# Allegro board pc053c_toplevel_14_removeRj45.brd (continued)
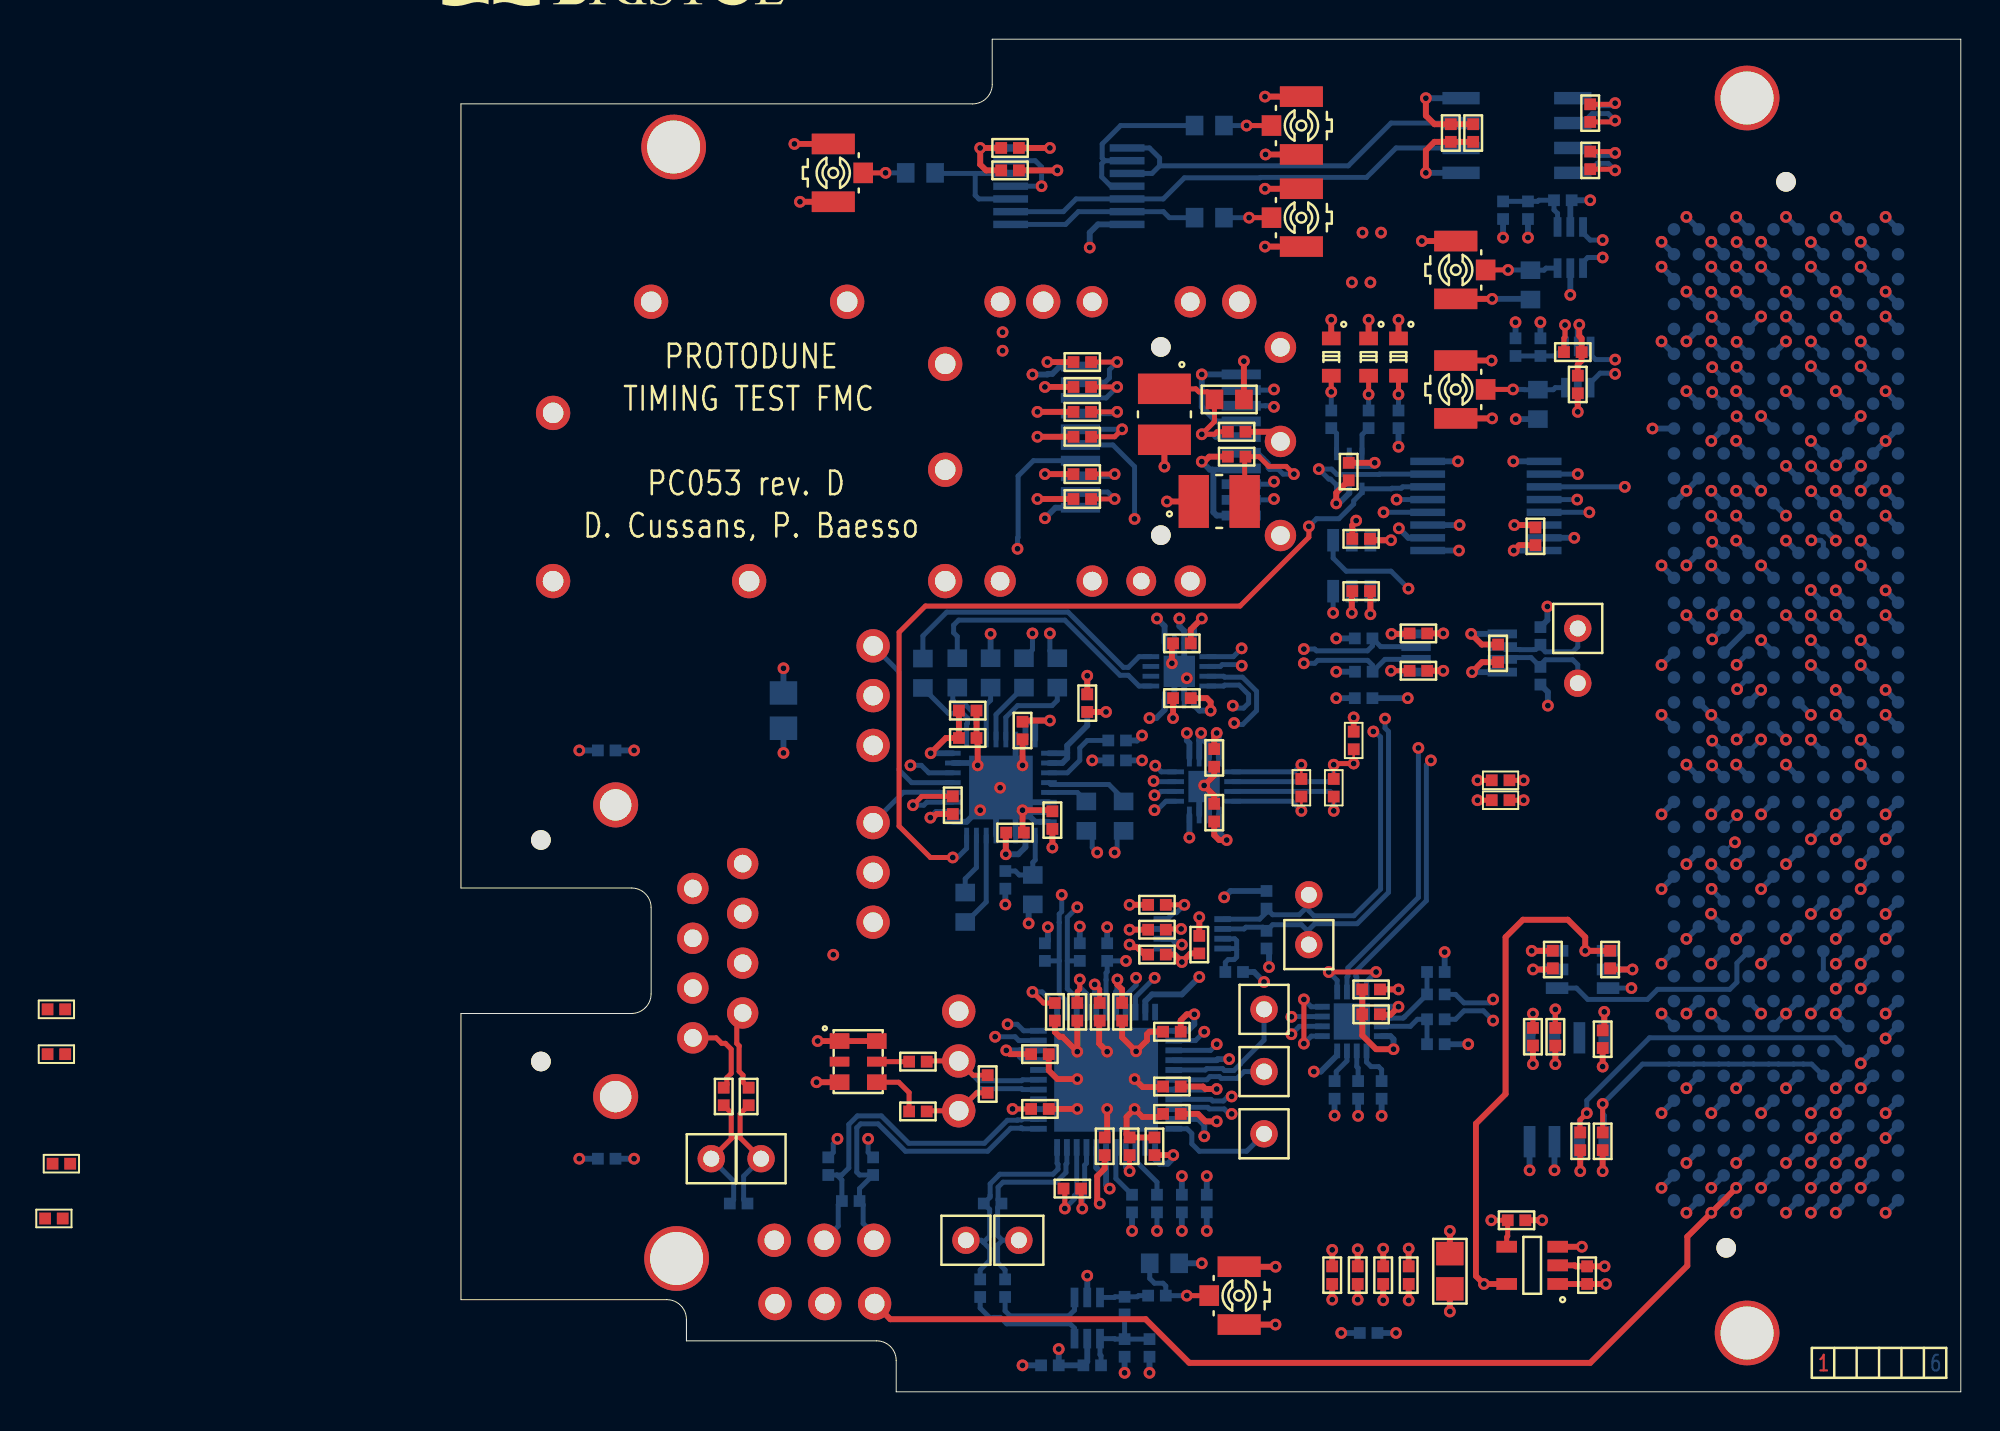
[diagram p0: board, top side]
## Routing (per net, layer and track width the routed paths; a pad name or vN(x,y) marks a point on that pad's centre or on a via; arc(x,y) is an arc through that point) (continued)
SFP_SCL: length 54.5
  L3GND w0.254: v1(34.36,44.53) 34.36,43.01 34.87,42.5 37.55,42.5 42.16,37.89 v1(42.99,37.89)
  L4_SIGN w0.254: J5.1 21.02,30.14 22.25,31.37 28.18,31.37 28.22,31.4 28.87,31.4 29.2,31.73 29.2,31.76 33.47,36.03 33.47,44.19 33.8,44.53 v1(34.36,44.53)
  BOTTOM w0.254: 48.71,38.01 46.91,38.01 R411.2 46.49,38.05 46.24,37.8 43.64,37.8 43.55,37.89 v1(42.99,37.89) ; IC12.20 24.44,30.58 24.43,30.58 22.57,30.58 J5.1 ; J4.5 33.25,48.3 34.36,47.2 v1(34.36,44.53)
SFP_SDA: length 50.8
  L3GND w0.254: v1(42.99,37.16) 41.87,37.16 38.95,40.08 31.86,40.08 28.94,43.01 v1(28.39,43.01)
  L4_SIGN w0.254: v1(28.39,43.01) 24.75,43.01 22.55,40.8 22.55,39.58 J6.1
  BOTTOM w0.254: IC15.6 47.13,37.36 R140.2 46.5,37.06 46.25,37.31 43.7,37.31 43.55,37.16 v1(42.99,37.16) ; IC12.21 22.99,31.08 22.35,31.72 22.35,36.73 J6.1 ; J4.4 29.2,47.5 28.42,46.72 28.42,43.59 28.39,43.56 v1(28.39,43.01)
SFP_TX_DISABLE: length 20.1
  TOP w0.254: v1(33.34,46.81) 32.14,46.81
  L3GND w0.254: v1(33.34,46.81) 32.79,46.26 32.79,45.32 33.32,44.78 33.83,44.78 34.13,45.08 34.59,45.08 34.89,44.78 37.41,44.78 42.06,40.13 44.1,40.13 v1(44.49,39.73)
  BOTTOM w0.254: IC14.3 v1(44.49,39.73) ; v1(33.34,46.81) 33.23,46.7 J4.3
SFP_TX_FAULT: length 19.9
  TOP w0.254: 32.14,45.55 v1(33.34,45.55)
  L3GND w0.254: v1(47.06,44.87) 46.5,44.87 46.37,45 45.43,45 45.2,44.77 41.47,44.77 40.26,45.97 33.9,45.97 33.86,45.94 33.73,45.94 v1(33.34,45.55)
  BOTTOM w0.254: v1(33.34,45.55) 32.99,45.9 J4.2 ; v1(47.06,44.87) IC10.4
SY5860_IN_N: length 14.7
  BOTTOM w0.254: IC17.4 34.59,37.5 34.04,36.96 33.79,36.96 30.97,39.77 24.77,39.77 23.56,38.56 R55.2
SY5860_IN_P: length 13.3
  BOTTOM w0.254: R54.2 25.32,38.53 25.13,38.72 25.13,39.11 25.38,39.37 30.8,39.37 33.62,36.55 34.04,36.55 34.59,36 IC17.1
T_CDR_N: length 6.8
  L3GND w0.127: v1(35.37,29.67) 35.12,29.92 34.24,29.92 33.04,28.72 33.04,28.26 33.34,27.96 v1(33.34,27.51)
  BOTTOM w0.254: v1(33.34,27.51) 33.47,27.64 33.47,28.29 C44.1 ; IC13.9 35.96,30.13 35.5,29.67 v1(35.37,29.67)
T_CDR_P: length 7.2
  L3GND w0.127: v1(32.45,27.51) 32.45,27.96 32.76,28.26 32.76,28.83 34.13,30.2 35.14,30.2 v1(35.37,30.43)
  BOTTOM w0.254: IC13.10 35.7,30.63 35.6,30.52 35.47,30.52 v1(35.37,30.43) ; C43.1 32.2,28.32 32.2,27.77 v1(32.45,27.51)
T_FFD_CLK_N: length 13.1
  L3GND w0.127: v1(34.44,21.12) 34.77,20.78 34.77,20.54 35.04,20.27 38.17,20.27 39.95,18.49 40.33,18.49 40.48,18.34 41.45,18.34 41.6,18.49 42.1,18.49 v1(42.36,18.24)
  BOTTOM w0.254: IC3.2 42.76,18.64 v1(42.36,18.24) ; v1(34.44,21.12) 34.44,20.75 33.91,20.22 IC4.19
T_FFD_CLK_P: length 12.7
  L3GND w0.127: v1(35.38,21.12) 35.05,20.78 35.05,20.66 35.15,20.55 38.28,20.55 40.06,18.77 40.44,18.77 40.59,18.62 41.33,18.62 41.48,18.77 42,18.77 v1(42.36,19.13)
  BOTTOM w0.254: v1(35.38,21.12) 34.41,20.14 IC4.20 ; v1(42.36,19.13) 42.55,19.13 42.56,19.14 IC3.3
T_FFD_D_N: length 34.7
  L3GND w0.127: v1(48.84,32.84) 49.34,32.84 49.49,32.7 49.67,32.7 49.76,32.62 60.28,32.62 63.07,35.41 64.57,35.41 66.31,33.67 v1(66.31,33.28)
  BOTTOM w0.254: IC3.6 45.19,21.15 45.24,21.2 45.24,21.62 48.84,25.22 v1(48.84,32.84) ; P1.G22 65.68,32.65 v1(66.31,33.28)
T_FFD_D_P: length 32.9
  L3GND w0.127: v1(49.47,32.21) 49.6,32.21 49.72,32.34 60.39,32.34 63.19,35.13 64.46,35.13 65.47,34.11 65.47,33.68 v1(65.07,33.28)
  BOTTOM w0.254: v1(65.07,33.28) 65.07,33.29 P1.G21 ; IC3.7 45.69,21.15 45.64,21.2 45.64,21.46 49.24,25.05 49.24,31.98 v1(49.47,32.21)
T_FMC_CLK_N: length 73.7
  L4_SIGN w0.127: v1(37.91,18.37) 38.23,18.68 38.67,18.68 39.41,19.43 39.41,21.53 41.7,23.82 41.7,24.59 41.75,24.64 41.75,25.89 43.5,27.64 43.5,39.44 40.58,42.36 40.58,43.1 40.53,43.16 40.53,44.21 40.58,44.26 40.58,47.9 40.53,47.95 40.53,49.01 40.58,49.06 40.58,49.24 41.09,49.75 41.67,49.75 41.68,49.76 50.86,49.76 52,48.62 59.11,48.62 60,47.73 65.99,47.73 66.97,48.71 66.97,50.26 66.08,51.14 66.08,53.56 64.34,55.3 64.08,55.3 63.8,55.02 v1(63.8,54.84)
  BOTTOM w0.254: P1.H5 63.84,54.79 v1(63.8,54.84) ; IC4.24 37.46,17.92 v1(37.91,18.37)
T_FMC_CLK_P: length 75
  L4_SIGN w0.127: v1(38.55,17.73) 38.86,18.05 38.86,18.49 39.69,19.31 39.69,21.41 41.98,23.7 41.98,24.47 42.03,24.52 42.03,25.77 43.78,27.52 43.78,39.55 40.86,42.47 40.86,43.22 40.81,43.27 40.81,44.09 40.86,44.14 40.86,48.02 40.81,48.07 40.81,48.89 40.86,48.94 40.86,49.13 41.21,49.47 41.79,49.47 41.8,49.48 50.74,49.48 51.88,48.34 59,48.34 59.88,47.45 66.11,47.45 67.25,48.59 67.25,50.37 66.36,51.26 66.36,53.67 64.46,55.58 64.2,55.58 64.08,55.7 64.08,55.81 v1(63.77,56.11)
  BOTTOM w0.254: v1(38.55,17.73) 38.23,17.42 IC4.25 ; P1.H4 63.79,56.11 v1(63.77,56.11)
T_FMC_N: length 13.5
  TOP w0.254: R59.2 v1(54.2,30.18)
  L3GND w0.127: v1(54.2,30.18) 54.57,30.55 58.12,30.55 60.46,28.2 64.67,28.2 64.83,28.22 64.97,28.11 v1(64.98,28.03)
  BOTTOM w0.127: v1(64.98,28.03) 64.96,28.03 64.95,28.02 64.88,28.02 P1.H26
T_FMC_P: length 14.3
  TOP w0.254: R58.2 v1(54.2,31.19)
  L3GND w0.127: v1(54.2,31.19) 54.57,30.83 58.24,30.83 60.58,28.48 64.65,28.48 65.13,29.08 v1(65.09,29.42)
  BOTTOM w0.127: P1.H25 64.5,28.82 v1(65.09,29.42)
T_FMC_REC_CLK_N: length 49.7
  L3GND w0.127: v1(46.93,59.13) 46.6,59.47 46.6,59.59 46.77,59.77 61.15,59.77 63.03,57.89 64.56,57.89 v1(65.04,57.41)
  L4_SIGN w0.127: v1(39.82,37.92) 39.61,37.92 39.57,37.97 39.48,37.97 38.56,38.89 38.56,52.66 40.15,54.26 40.26,54.26 41.04,55.05 41.04,55.15 44.11,58.22 46.26,58.22 46.6,58.56 46.6,58.92 46.82,59.13 v1(46.93,59.13)
  BOTTOM w0.254: IC17.9 39.4,37.5 v1(39.82,37.92) ; P1.G3 65.04,57.4 v1(65.04,57.41)
T_FMC_REC_CLK_P: length 50.9
  L3GND w0.127: v1(45.99,59.13) 46.32,59.47 46.32,59.71 46.66,60.05 61.27,60.05 63.15,58.17 64.56,58.17 65.04,58.65 v1(65.07,58.65)
  L4_SIGN w0.127: v1(39.82,37.04) 39.82,37.31 39.7,37.43 39.62,37.43 38.28,38.77 38.28,52.78 40.04,54.54 40.14,54.54 40.77,55.16 40.77,55.27 44,58.5 46.14,58.5 46.32,58.68 46.32,58.86 46.04,59.13 v1(45.99,59.13)
  BOTTOM w0.254: v1(39.82,37.04) 39.77,37.1 38.83,37.1 38.73,37 IC17.10 ; P1.G2 65.28,58.43 65.27,58.45 v1(65.07,58.65)
T_MCX_CLK: length 89.8
  L4_SIGN w0.254: v1(35.5,8.21) 34.91,8.8 30.57,8.8 30.53,8.83 12.39,8.83 10.74,10.49 10.74,42.62 v1(29.61,61.5)
  BOTTOM w0.254: IC9.13 29.29,62.8 29.61,62.48 v1(29.61,61.5) IC9.11 ; R26.2 v1(35.5,8.21)
T_RJ45_CLK_N: length 32.7
  L3GND w0.127: J1.6 17.46,21.31 26.85,21.31 29.52,18.65 34.73,18.65 36.29,17.09 36.29,16.2 37.72,14.76 38.94,14.76 39.25,15.06 v1(39.31,15.06)
  BOTTOM w0.254: IC4.30 38.26,14.92 38.34,14.84 38.9,14.84 39.12,15.06 v1(39.31,15.06)
T_RJ45_CLK_P: length 34.3
  L3GND w0.127: J1.3 12.27,21.03 13.8,21.03 13.96,20.87 14.78,20.87 14.94,21.03 26.74,21.03 29.4,18.37 34.61,18.37 36.01,16.97 36.01,16.08 37.61,14.48 38.94,14.48 39.25,14.18 v1(39.31,14.18)
  BOTTOM w0.254: v1(39.31,14.18) 39.18,14.18 38.93,14.43 38.17,14.43 38.09,14.51 37.09,14.51 37,14.42 IC4.31
T_RJ45_D_N: length 57.7
  L3GND w0.127: J1.8 13.34,26.43 13.17,26.49 13.11,26.6 13.11,27.73 13.78,28.4 16.96,28.4 17.72,27.64 22.42,27.64 24.07,25.99 41.47,25.99 42.99,27.51 55.82,27.51 58.87,24.46 62.72,24.46 63.14,24.88 63.27,24.88 v1(63.76,24.39)
  BOTTOM w0.254: v1(63.76,24.39) P1.H29
T_RJ45_D_P: length 58.3
  L3GND w0.127: v1(63.79,25.66) 63.76,25.66 63.27,25.16 63.03,25.16 62.61,24.74 58.98,24.74 55.94,27.79 42.88,27.79 41.35,26.27 24.19,26.27 22.54,27.92 17.84,27.92 17.07,28.68 13.67,28.68 12.83,27.84 12.83,26.45 12.92,26.36 12.86,26.19 J1.7
  BOTTOM w0.254: v1(63.79,25.66) 63.79,25.63 P1.H28
T_SFP_N: length 40.4
  L4_SIGN w0.127: v1(52.65,18.94) 52.2,19.38 51.88,19.38 50.97,20.29 50.97,34.12 49.06,36.03 49.06,44.92 48.09,45.9 48.03,45.9 47.93,46.01 47.52,46.01 47.42,45.9 44.38,45.9 44.33,45.85 42.22,45.85 41.92,45.55 v1(41.47,45.55)
  BOTTOM w0.254: C2.2 50.73,19 51.16,19.43 52.15,19.43 v1(52.65,18.94) ; v1(41.47,45.55) 41.42,45.5 J4.19
T_SFP_P: length 40.3
  L4_SIGN w0.127: v1(41.47,46.43) 41.92,46.43 42.22,46.13 44.21,46.13 44.26,46.18 47.3,46.18 47.4,46.28 48.04,46.28 48.15,46.18 48.2,46.18 49.34,45.04 49.34,36.15 51.25,34.24 51.25,20.41 52,19.66 52.29,19.66 v1(52.65,20.02)
  BOTTOM w0.254: v1(41.47,46.43) 41.34,46.3 J4.18 ; v1(52.65,20.02) 52.47,19.84 51.16,19.84 50.73,20.27 C1.2
UNNAMED_2_CON400P40ABCDEFGHJK_I: length 1.3
  BOTTOM w0.254: P1.D30 P1.D31
UNNAMED_2_PCA9306_I276_EN: length 3.5
  BOTTOM w0.254: 39.56,22.56 39.56,22.18 39.44,22.05 39.13,22.05 38.99,21.91 R1.1 ; 39.56,22.56 39.56,23.01 39.46,23.11 38.85,23.11 ; 39.56,22.56 39.51,22.61 38.85,22.61
UNNAMED_2_PCA9517_I162_EN: length 2.3
  TOP w0.254: R42.1 v1(47.44,36.78)
  BOTTOM w0.254: v1(47.44,36.78) 48.65,36.78 IC15.5
UNNAMED_3_CAPCERSMDCL2_I315_A: length 4
  BOTTOM w0.254: R5.2 C1.1 48.13,19.13 48.12,19.13 48.06,19.06 47.44,19.06 47.43,19.07 47.01,19.07 IC3.10
UNNAMED_3_CAPCERSMDCL2_I316_A: length 3.8
  BOTTOM w0.254: R6.2 C2.1 48.78,19 48.43,18.64 IC3.11
UNNAMED_3_NBSG53A_I298_OLS: length 2.1
  BOTTOM w0.254: IC3.13 46.19,16.82 46.42,16.59 46.8,16.59 46.96,16.43 R3.1
UNNAMED_3_NBSG53A_I298_R: length 1.8
  BOTTOM w0.254: IC3.15 45.19,16.88 44.64,16.34 44.64,15.94 R2.2
UNNAMED_3_NBSG53A_I298_SEL: length 1.6
  BOTTOM w0.254: IC3.14 45.69,16.59 45.76,16.52 R4.1
UNNAMED_3_NBSG53A_I298_VTCLK: length 4.5
  TOP w0.254: v1(42.99,17.76) v1(42.99,20.02)
  BOTTOM w0.254: IC3.4 43.37,19.64 v1(42.99,20.02) ; IC3.1 43.38,18.14 v1(42.99,17.76)
UNNAMED_3_NBSG53A_I298_VTD: length 4.8
  TOP w0.254: v1(44.26,21.41) v1(46.68,21.41)
  BOTTOM w0.254: v1(44.26,21.41) 44.69,20.99 IC3.5 ; v1(46.68,21.41) 46.19,20.93 IC3.8
UNNAMED_4_CAPCERSMDCL2_I90_B: length 2.2
  TOP w0.254: v1(52.55,8.75) C11.2 53.39,7.94 53.34,7.89 REG1.4
UNNAMED_4_CAPCERSMDCL2_I119_A: length 2.8
  TOP w0.254: QZ1.4 22.33,15.79 22.86,15.26 C21.1
UNNAMED_4_CAPCERSMDCL2_I120_A: length 1.6
  TOP w0.254: C25.1 QZ1.5
UNNAMED_4_RSMD0402_I16_A: length 3.2
  TOP w0.254: R10.1 29.72,19.83 v1(29.15,20.4)
  BOTTOM w0.254: IC4.12 30.41,19.64 29.65,20.4 v1(29.15,20.4)
UNNAMED_4_RSMD0402_I47_A: length 2.8
  BOTTOM w0.254: 33.41,12.47 33.41,10.88 R13.1
UNNAMED_4_RSMD0402_I49_A: length 3.1
  TOP w0.254: v1(31.56,21.03) 31.56,20.54 31.44,20.42 R20.1
  BOTTOM w0.254: v1(31.56,21.03) 31.56,20.65 31.91,20.31 IC4.15
UNNAMED_4_RSMD0402_I50_A: length 2.5
  TOP w0.254: v1(32.33,20.78) 32.58,20.53 R21.1
  BOTTOM w0.254: IC4.16 32.41,20.21 32.33,20.29 v1(32.33,20.78)
UNNAMED_4_RSMD0402_I123_A: length 2.9
  BOTTOM w0.254: 34.41,12.47 34.41,11.79 35.5,10.69 R26.1
UNNAMED_4_SI5344_I110_INTR: length 5.8
  BOTTOM w0.254: IC4.33 37.03,13.42 37.28,13.17 37.28,12.65 37.66,12.27 40.07,12.27 TP9.1
UNNAMED_4_SI5344_I110_LOL: length 6.9
  BOTTOM w0.254: TP10.1 40.96,17.94 39.76,16.74 39.76,16.73 39.42,16.39 38.94,16.39 38.85,16.49 38.04,16.49 37.97,16.42 IC4.27
UNNAMED_4_SI5344_I110_LOSXAXB: length 4.9
  BOTTOM w0.254: TP11.1 39.95,16.34 39.69,16.08 39.69,16.08 39.59,15.98 38.78,15.98 38.68,16.08 38.2,16.08 38.04,15.92 IC4.28
UNNAMED_5_74LCX04_I304_Y: length 6.9
  BOTTOM w0.254: IC9.10 26.42,60.85 26.23,61.04 26.23,62.15 ; R47.1 24.22,62.15 26.23,62.15 ; IC9.12 26.23,62.15
UNNAMED_5_74LCX04_I317_A: length 20.4
  BOTTOM w0.254: IC8.7 47.44,64.72 45.26,62.54 35.64,62.54 ; IC9.3 35.25,62.15 35.64,62.54 ; IC9.1 35.12,63.45 35.64,62.94 35.64,62.54
UNNAMED_5_74LCX04_I317_Y: length 9.5
  BOTTOM w0.254: IC9.4 33.15,61.5 32.68,61.97 32.68,62.65 32.83,62.8 ; R49.1 33.65,64.59 32.71,63.66 32.71,62.93 32.83,62.8 ; 32.83,62.8 IC9.2
UNNAMED_5_74LCX04_I323_A: length 24.3
  BOTTOM w0.254: IC9.9 30.73,60.2 31.38,60.85 IC9.5 35.82,60.85 36.9,61.93 40.75,61.93 40.77,61.95 46.19,61.95 47.69,63.45 IC8.6
UNNAMED_5_74LCX04_I323_Y: length 9.8
  BOTTOM w0.254: R48.1 36.14,59.9 35.83,60.2 IC9.6 31.49,60.2 30.84,59.55 IC9.8
UNNAMED_5_ADCMP604_I256_: length 5.2
  BOTTOM w0.254: R32.1 32.65,1.84 32.59,1.89 IC5.4 33.34,2.71 33.36,2.69 C51.2 ; C51.2 R33.2 ; C51.2 R44.1
UNNAMED_5_ADCMP604_I256__1: length 2.5
  BOTTOM w0.254: C50.2 34.56,4.91 34.5,4.85 R44.2 33.36,4.85 33.32,4.81 IC5.3
UNNAMED_5_ADCMP604_I285_: length 4.1
  BOTTOM w0.254: IC6.4 55.93,60.11 55.75,60.29 R35.1 54.97,60.78 54.91,60.73 C52.2 R36.2
UNNAMED_5_ADCMP604_I294_: length 5.2
  TOP w0.254: v1(56.31,54.42) 56.31,53.8 56.26,53.75 R37.1
  BOTTOM w0.254: v1(56.31,54.42) IC7.4 55.83,52.84 C53.2 R38.2
UNNAMED_5_PCOAX_I312_A: length 2.2
  TOP w0.254: PX4.1 v1(21.66,62.18)
  BOTTOM w0.254: R47.2 v1(21.66,62.18)
UNNAMED_5_PCOAX_I315_A: length 2.4
  TOP w0.254: v1(40.07,64.59) PX6.1
  BOTTOM w0.254: R49.2 v1(40.07,64.59)
UNNAMED_5_PCOAX_I321_A: length 2.4
  TOP w0.254: PX5.1 v1(40.2,59.9)
  BOTTOM w0.254: R48.2 v1(40.2,59.9)
UNNAMED_11_ADN2814_I23_CF1: length 3.1
  BOTTOM w0.254: C39.1 25.72,26.17 26.29,26.74 IC12.15
UNNAMED_11_ADN2814_I23_CF2: length 4.9
  BOTTOM w0.254: C39.2 25.77,23.97 26.79,24.99 IC12.14
UNNAMED_11_ADN2814_I23_DATAOUTN: length 3.3
  BOTTOM w0.254: R53.1 28.67,35.92 27.29,34.55 IC12.28
UNNAMED_11_ADN2814_I23_DATAOUTP: length 4.8
  BOTTOM w0.254: IC12.29 27.79,34.41 28.39,35 30.15,35 30.42,35.27 R52.1
UNNAMED_11_ADN2814_I23_SADDRS: length 4.3
  TOP w0.254: R57.1 23.5,30.37 v1(23.05,29.92)
  BOTTOM w0.254: v1(23.05,29.92) 23.61,29.92 23.76,30.08 IC12.19
UNNAMED_11_ADN2814_I23_SQUELCH: length 2.7
  BOTTOM w0.254: R12.1 27.02,35.28 26.79,35.06 IC12.27
UNNAMED_11_ADN2814_I23_THRADJ: length 3.5
  BOTTOM w0.254: IC12.9 29.29,27.13 29.17,27.01 R34.2 28.48,26.36 28.28,26.57 C42.2
UNNAMED_11_ADN2814_I23_VREF: length 4.1
  BOTTOM w0.254: IC12.3 30.93,31.58 31.56,32.21 31.56,32.84 31.94,33.23 C38.2
UNNAMED_11_CAPCERSMDCL2_I317_A: length 8.4
  TOP w0.127: 44.52,31.26 v1(44.52,31.99) ; C73.1 v1(45.53,32.05)
  TOP w0.254: v1(44.52,31.99) 44.58,32.05 v1(45.53,32.05)
  BOTTOM w0.254: v1(44.52,31.99) 44.52,31.31 44.33,31.13 IC13.2
UNNAMED_11_CON20PSFP_I175_MODDE: length 3.9
  TOP w0.254: v1(33.72,49.1) 33.34,48.72 32.14,48.72
  BOTTOM w0.254: J4.6 v1(33.72,49.1)
UNNAMED_11_CON20PSFP_I175_RATES: length 3.2
  TOP w0.254: v1(33.47,49.99) 32.14,49.99
  BOTTOM w0.254: v1(33.47,49.99) 33.38,49.9 J4.7
UNNAMED_11_CON20PSFP_I175_VCCR: length 8.3
  TOP w0.254: C63.2 38.56,48.97 38.43,48.85 v1(37.79,48.85) 38.43,49.49 C64.2 38.05,51.01 37.64,51.01 37.49,51.16 L1.1
  BOTTOM w0.254: J4.15 38.49,48.7 38.34,48.85 v1(37.79,48.85)
UNNAMED_11_CON20PSFP_I175_VCCT: length 8.4
  TOP w0.254: L2.2 39.98,47.7 C62.2 40.71,47.7 41.21,47.21 42.09,47.21 v1(42.49,46.81)
  BOTTOM w0.254: J4.16 40.64,47.9 40.91,47.63 40.92,47.63 41.08,47.47 41.08,47.46 41.17,47.37 41.17,47.13 41.25,47.05 41.69,47.05 41.93,46.81 v1(42.49,46.81)
UNNAMED_11_CON20PSFP_I175_VEER: length 3.9
  TOP w0.254: 32.14,52.53 v1(33.47,52.53)
  BOTTOM w0.254: J4.9 32.85,51.5 33.08,51.72 33.08,52.14 v1(33.47,52.53)
UNNAMED_11_LED1_I225_A: length 1.8
  TOP w0.254: v1(46.3,50.88) LD1.1
  BOTTOM w0.254: R50.1 v1(46.3,50.88)
UNNAMED_11_LED1_I226_A: length 1.8
  TOP w0.254: LD2.1 v1(44.39,51.01)
  BOTTOM w0.254: R51.1 v1(44.39,51.01)
UNNAMED_11_LED1_I227_A: length 1.8
  TOP w0.254: LD3.1 v1(47.82,50.88)
  BOTTOM w0.254: v1(47.82,50.88) R56.1
UNNAMED_11_RSMD0402_I232_B: length 1.5
  BOTTOM w0.254: IC18.6 45.96,48.82 R50.2
UNNAMED_11_RSMD0402_I233_B: length 1.4
  BOTTOM w0.254: IC18.4 44.66,48.89 R51.2
UNNAMED_11_RSMD0402_I312_A: length 19
  TOP w0.254: R58.1 v1(51.85,31.19)
  L3GND w0.127: v1(35.41,31.94) 35.76,31.6 36.09,31.6 36.17,31.59 37.51,31.59 37.62,31.7 38.78,31.7 39.67,30.81 51.25,30.81 51.63,31.19 v1(51.85,31.19)
  BOTTOM w0.254: IC13.12 35.73,31.63 v1(35.41,31.94)
UNNAMED_11_RSMD0402_I313_A: length 19
  TOP w0.254: R59.1 v1(51.85,30.18)
  L3GND w0.127: v1(51.85,30.18) 51.63,30.18 51.25,30.56 39.57,30.56 38.68,31.45 37.73,31.45 37.62,31.34 35.51,31.34 v1(35.33,31.16)
  BOTTOM w0.254: v1(35.33,31.16) 35.37,31.16 35.41,31.13 IC13.11
UNNAMED_11_RSMD0402_I316_B: length 6.8
  TOP w0.127: R61.2 v1(44.52,29.64)
  BOTTOM w0.254: v1(44.52,29.64) 44.52,30.44 44.34,30.63 IC13.3

## Copper pours and planes (outline as drawn; the poured copper is in the pictures)
GND on L2PWR: 22.84,0.64 22.84,1.6 22.36,2.76 21.2,3.24 12.14,3.24 12.14,3.7 11.66,4.86 10.5,5.34 0.64,5.34 0.64,19.26 9.72,19.26 9.72,25.73 0.64,25.73 0.64,65.06 26.1,65.06 27.26,65.54 27.74,66.7 27.74,68.36 75.86,68.36 75.86,2.37 68.9,2.37 68.9,0.76 68.77,0.64
P1V8 on L5_PWR: 33.72,7.06 33.72,9.35 32.45,10.62 32.45,11.64 33.09,12.27 34.74,12.27 35.5,11.51 35.5,10.62 36.14,9.98 38.17,9.98 38.93,10.75 38.93,11.51 38.68,11.76 37.41,11.76 37.15,12.02 37.15,13.16 37.66,13.67 37.91,13.67 38.42,13.16 39.06,13.16 39.82,13.92 39.82,16.46 39.69,17.61 37.41,20.02 34.1,23.32 33.34,23.32 33.09,23.07 29.28,23.07 29.15,23.19 29.15,23.83 31.06,25.73 37.15,25.73 38.29,24.59 38.29,21.67 42.74,17.22 42.74,8.46 44.39,6.81 52.39,6.81 53.03,6.17 53.03,4.14 52.52,3.63 37.15,3.63
P3V3 on L5_PWR: 22.84,0.64 22.84,1.6 22.36,2.76 21.2,3.24 12.14,3.24 12.14,3.7 11.66,4.86 10.5,5.34 0.64,5.34 0.64,12 0.63,19.26 9.72,19.26 9.72,25.73 0.63,25.73 0.64,42.1 0.63,42.11 0.64,65.06 26.1,65.06 27.26,65.54 27.74,66.7 27.74,68.36 75.86,68.36 75.86,2.37 68.9,2.37 68.9,0.64 ; 3 cut-outs
CVCC on L5_PWR: 62.04,7.57 64.84,7.57 65.73,8.46 65.73,45.16 65.09,45.8 49.98,45.8 49.85,45.67 49.72,45.67 49.09,46.31 46.04,46.31 45.79,46.56 45.79,48.09 46.42,48.72 46.42,49.61 45.53,50.5 44.64,50.5 42.87,48.72 42.87,43.39 45.03,41.23 48.84,41.23 49.22,41.61 49.22,42.75 50.11,43.64 51.12,43.64 52.14,42.62 52.14,40.34 39.18,27.38 29.53,27.38 28.01,25.86 28.01,22.68 28.52,22.18 34.36,22.18 34.48,22.3 34.48,22.81 34.1,23.19 33.47,23.19 33.21,22.94 29.15,22.94 29.02,23.07 29.02,23.95 30.93,25.86 37.28,25.86 38.42,24.72 38.42,21.8 40.45,19.76 44.64,19.76 46.55,21.67 49.72,21.67 52.39,19 52.39,13.67 56.46,9.6 60.01,9.6

## Text on the board
BOTTOM: 6
TOP: 1
Ref Des/Silkscreen Top: PROTODUNE | D. Cussans, P. Baesso
L2PWR: 2
L3GND: 3
L4_SIGN: 4
L5_PWR: 5
PAGE_OUTLINE: 4
User.9: GROUND PLANE | 3
User.45: Figure | Dia. | 0.30 | 0.40 | 0.70 | 0.80 | 0.85 | 0.95 | 1.00 | 1.05 | 2.50 | 2.70 | 1.30 | 1.40 | Metric Drill Legend TOP to BOTTOM | Drill sizes are considered finished. | ALL UNITS ARE IN MILLIMETERS | Tol. | +0.05/-0.05 | TYPE | PLATED | NON-PLATED | QTY | 169 | 175 | 4 | 12 | 1 | 9 | 21 | 6 | 10 | 2 | 417 | TOTAL HOLES:
